# Altium PCB Proyecto0.PcbDoc (part 3 of 5) (continued)
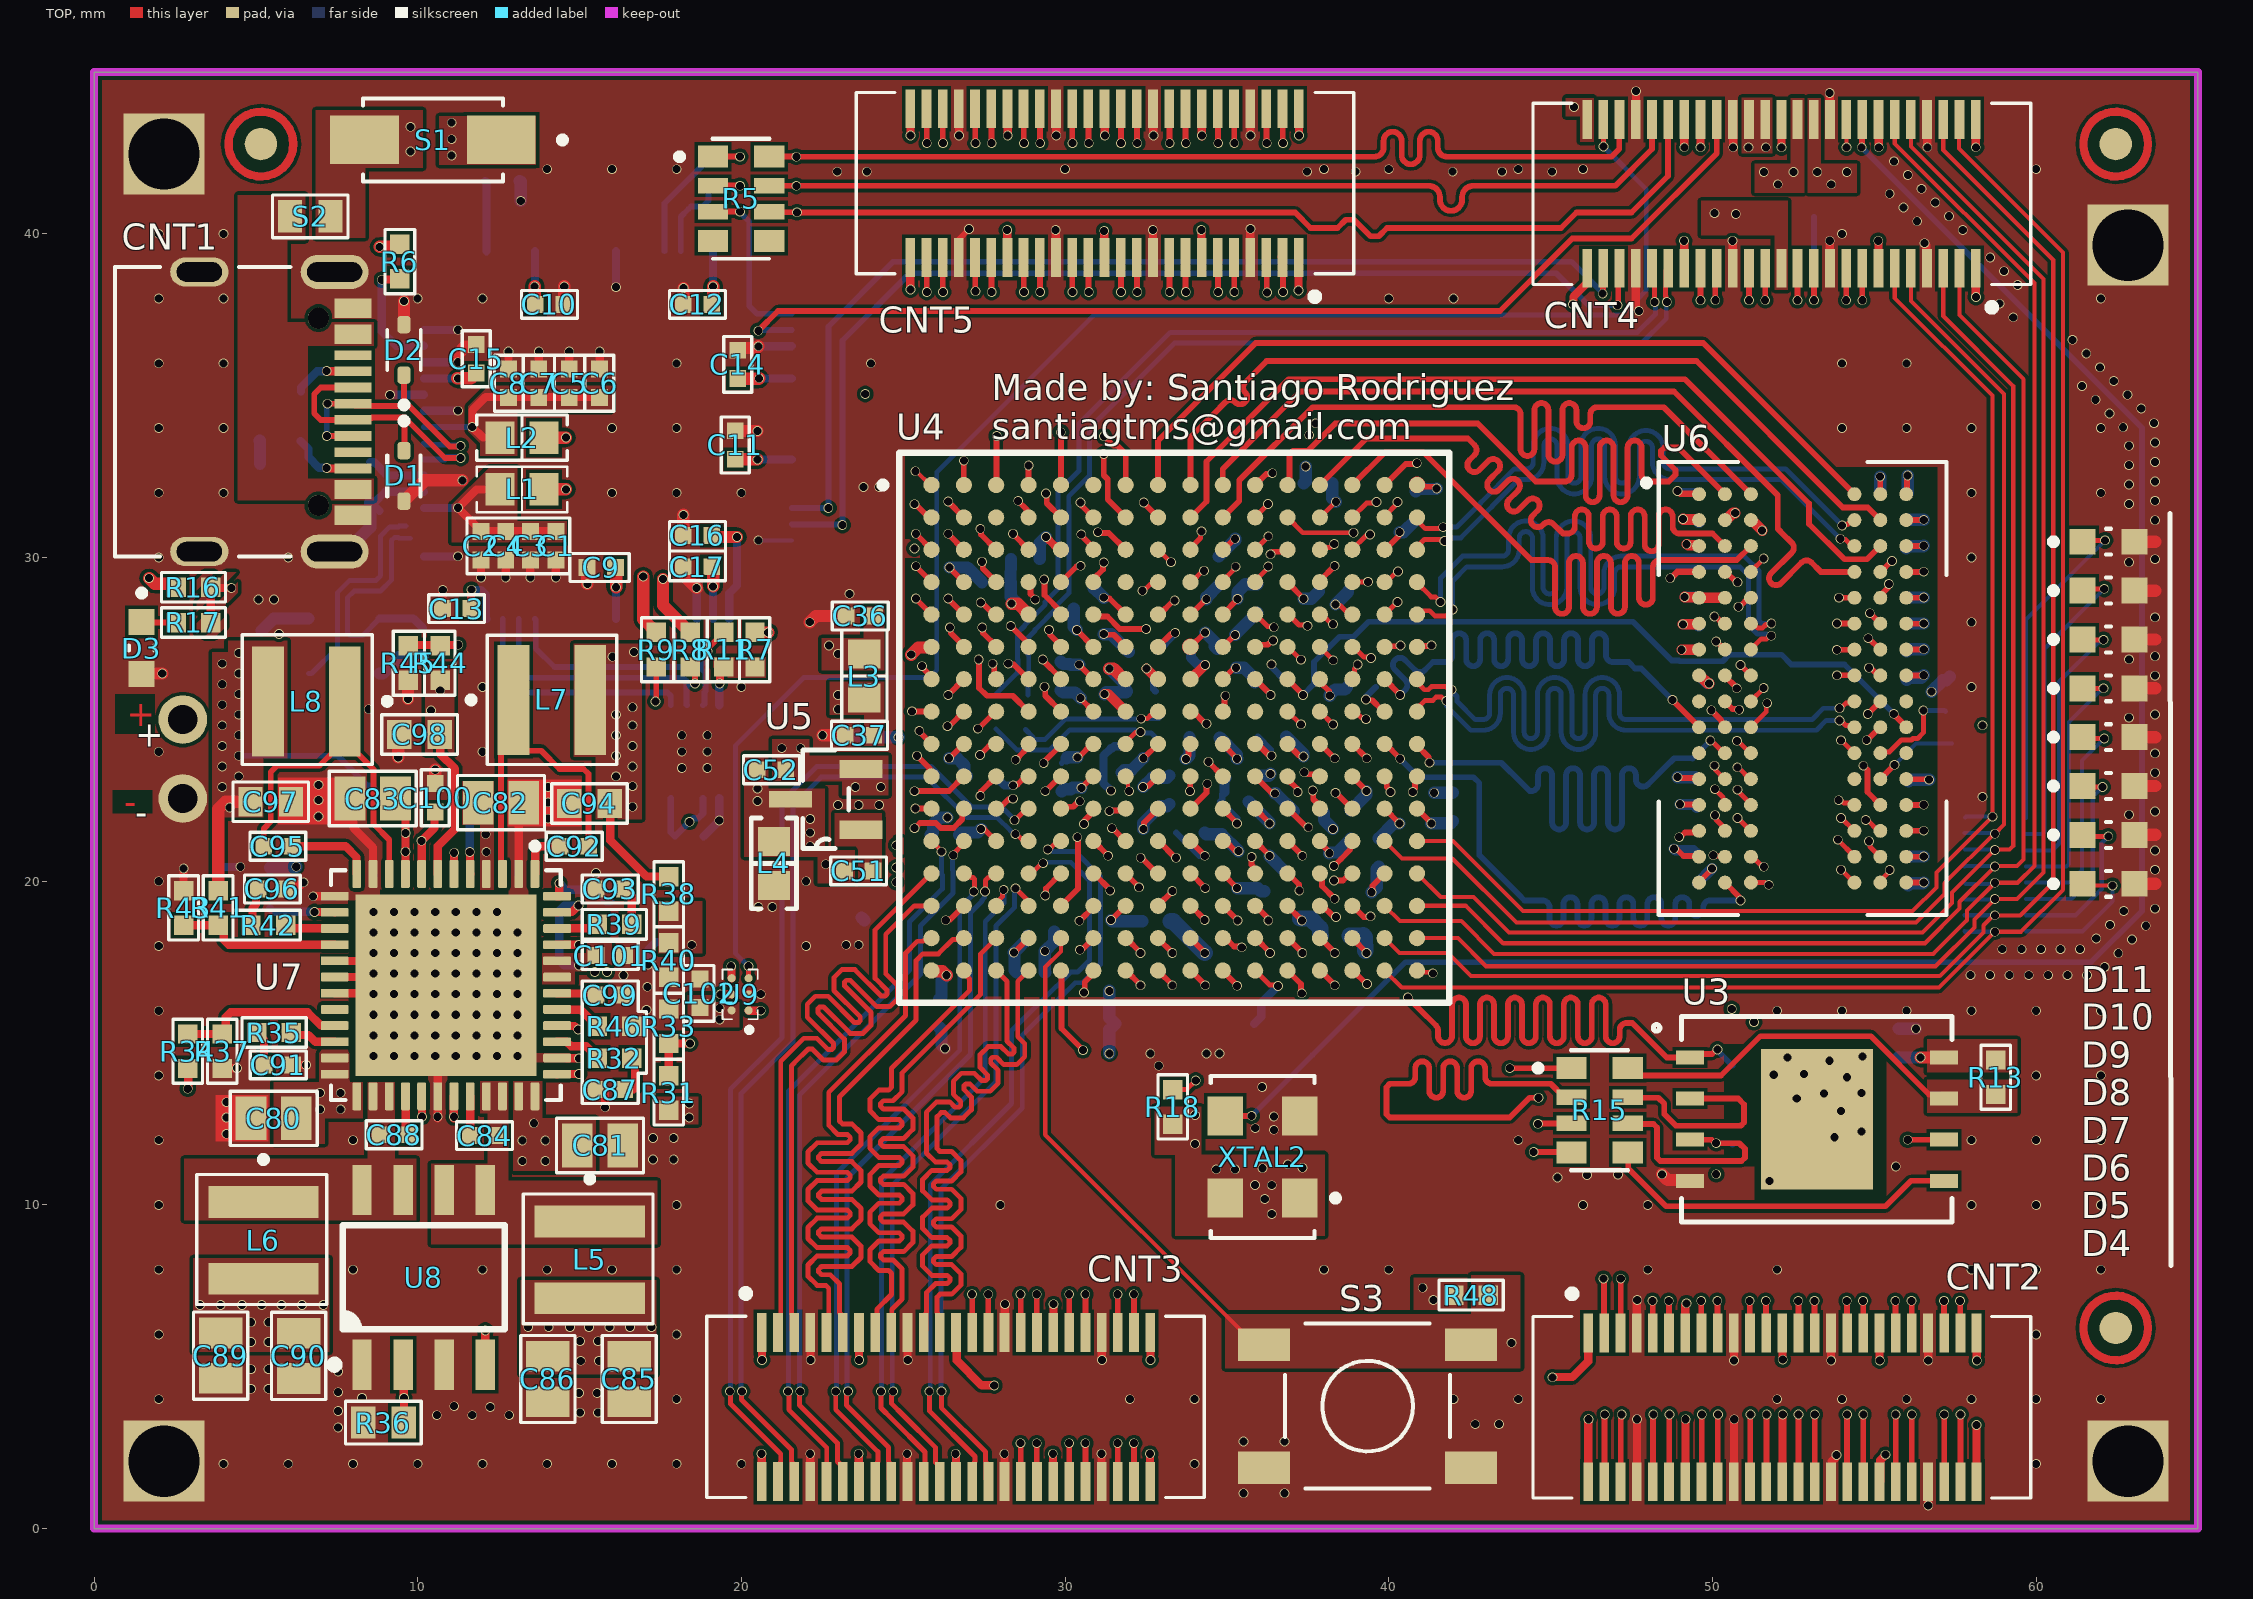
[diagram p0: TOP view]
## Nets (pads, with @x,y where several pads share a name; then routed paths per layer and width w, separated by ;. In a path a pad name is that pad's centre, name@x,y a point inside that pad or via, vN(x,y) a via of type N, cw(c..) or ccw(c..) an arc to the next point about the centre after c; other vN are vias at no path point) (continued)
  TOP w0.203: U4.J11@35.873,24.241 35.953,24.241 36.3,23.895 36.357,23.895 v1(36.375,23.876) ; v1(48.692,29.36) 48.718,29.36 48.915,29.557 U6.D1@49.586,29.557
  TOP w0.254: R43.2@2.769,19.708 v1(2.769,20.394) ; R37.2@3.962,14.214 3.967,14.219 4.415,14.219 v1(4.42,14.224) ; C96.1@5.952,19.761 6.085,19.894 6.407,19.894 v1(6.477,19.964) ; C91.1@6.13,14.326 v1(6.553,14.326) ; v1(6.77,19.533) 6.777,19.539 U7.13@7.436,19.539 ; U7.19@7.436,16.539 8.234,16.539 U7.49@8.255,16.561 ; U7.18@7.436,17.039 8.157,17.039 U7.49@8.179,17.018 ; U7.17@7.436,17.539 8.218,17.539 U7.49@8.23,17.551 ; C83.1@7.911,22.555 8.019,22.447 8.019,21.648 8.621,21.046 U7.11@8.621,20.224 8.621,20.182 U7.11@8.636,20.168 ; v1@10.617,12.675 v1@10.621,12.679 ; v1(10.617,12.725) 10.617,13.35 U7.30@10.621,13.354 10.621,14.068 U7.49@10.617,14.072 ; C13.1@10.753,28.414 C13.1@10.762,28.423 10.77,28.432 10.762,28.44 10.762,28.99 v1@10.77,28.999 ; v1(11.956,29.379) C2.1@11.956,29.92 ; v1(12.718,29.379) C4.1@12.718,29.92 ; C8.1@12.802,35.823 v1@12.802,36.363 ; U7.2@13.121,20.224 13.121,22.276 C82.1@13.273,22.428 ; v1(13.48,29.379) C3.1@13.48,29.92 ; C7.1@13.742,35.823 v1@13.742,36.363 ; v1(14.267,29.379) C1.1@14.268,29.92 ; U7.38@14.306,14.539 14.604,14.539 14.609,14.534 14.981,14.534 v1(14.986,14.529) ; C5.1@14.682,35.823 v1@14.682,36.363 ; C93.1@15.511,19.761 v1(15.511,20.252) ; C6.1@15.622,35.823 v1@15.622,36.363 ; v1(15.791,13.013) 15.791,13.564 ; U9.B2@20.224,16.506 20.596,16.506 v1(20.599,16.51) ; v1@22.123,2.313 v1@22.127,2.309 ; v1@22.127,2.307 22.127,1.463 CNT3.47@22.131,1.459 ; CNT3.4@22.131,6.059 22.135,6.055 22.135,5.211 v1(22.139,5.207) ; v1(25.121,2.311) 25.121,1.47 CNT3.41@25.131,1.459 ; CNT3.10@25.131,6.059 25.135,6.055 25.135,5.211 v1(25.139,5.207) ; CNT5.29@26.718,43.866 26.726,43.858 v1(26.726,43.039) ; v1@28.123,2.313 v1@28.127,2.309 ; v1@28.127,2.307 28.127,1.463 CNT3.35@28.131,1.459 ; CNT3.16@28.131,6.059 28.137,6.065 28.137,6.928 v1(28.143,6.934) ; v1(29.413,30.632) 29.681,30.364 29.683,30.364 29.806,30.241 U4.C5@29.873,30.241 ; v1(29.71,40.118) 29.714,40.114 29.714,39.27 CNT5.16@29.718,39.266 ; CNT5.35@29.718,43.866 29.726,43.858 v1(29.726,43.039) ; v1@31.123,2.313 v1@31.127,2.309 ; v1@31.127,2.307 31.127,1.463 CNT3.29@31.131,1.459 ; CNT3.22@31.131,6.059 31.135,6.055 31.135,5.211 v1(31.139,5.207) ; v1(32.71,40.118) 32.714,40.114 32.714,39.27 CNT5.10@32.718,39.266 ; CNT5.41@32.718,43.866 32.723,43.86 32.723,43.044 v1(32.729,43.039) ; CNT5.4@35.718,39.266 35.722,39.27 35.722,40.151 v1(35.726,40.155) ; CNT5.47@35.718,43.866 35.726,43.858 v1(35.726,43.039) ; CNT4.22@47.63,38.936 47.63,37.726 47.727,37.63 v1(47.727,37.617) ; CNT4.29@47.63,43.536 47.635,43.54 47.635,44.403 v1(47.639,44.408) ; CNT2.47@47.66,1.448 47.665,1.453 v1@47.665,3.404 ; CNT2.4@47.66,6.048 47.66,7.033 47.676,7.049 v1(47.676,7.061) ; v1(50.622,39.788) 50.626,39.784 50.626,38.94 CNT4.16@50.63,38.936 ; CNT4.35@50.63,43.536 50.634,43.532 v1@50.634,42.687 ; v1@50.634,42.674 v1@50.638,42.67 ; CNT2.41@50.66,1.448 50.666,1.454 50.666,3.372 v1(50.673,3.378) ; CNT2.10@50.66,6.048 50.664,6.044 50.664,5.2 v1(50.668,5.196) ; v1(53.621,44.348) 53.625,44.344 53.625,43.54 CNT4.41@53.63,43.536 ; v1(53.622,39.788) 53.626,39.784 53.626,38.94 CNT4.10@53.63,38.936 ; CNT2.35@53.66,1.448 53.683,1.471 53.683,2.07 53.797,2.184 53.797,2.236 v2(53.834,2.273) ; CNT2.16@53.66,6.048 53.664,6.044 53.664,5.2 v1(53.668,5.196) ; v1(56.547,39.713) 56.547,39.701 56.607,39.641 56.607,38.959 CNT4.4@56.63,38.936 ; CNT4.47@56.63,43.536 56.634,43.532 v1@56.634,42.687 ; v1@56.634,42.674 v1@56.638,42.67 ; CNT2.29@56.66,1.448 56.664,1.444 56.664,0.715 v1(56.667,0.711) ; CNT2.22@56.66,6.048 56.664,6.044 56.664,5.2 v1(56.668,5.196)
  TOP w0.305: U4.G3@27.82,26.241 U4.G3@27.873,26.241 ; U4.G9@33.878,26.241 v1@34.319,26.683
  TOP w0.33: v1(49.047,27.153) 49.582,27.153 U6.G1@49.583,27.154 ; v1(49.093,31.189) 49.105,31.176 49.567,31.176 U6.B1@49.586,31.157 ; v1(49.142,28.781) 49.146,28.776 49.567,28.776 U6.E1@49.586,28.757 U6.E2@50.386,28.757 ; U6.B3@51.186,31.157 51.213,31.157 51.535,30.836 v1(51.537,30.836)
  TOP w0.381: D3.C@1.473,26.403 1.486,26.416 v1(2.108,26.416) ; v1(9.398,23.825) 9.398,24.501 C98.1@9.433,24.536 ; D1.A@9.576,31.739 9.576,31.809 9.585,31.819 9.655,31.819 10.221,32.385 v1(11.379,32.385) ; D2.A@9.576,37.196 v1(9.576,37.922) ; v1(9.703,25.629) R45.2@9.703,26.203 ; C100.1@10.541,23.021 v1(10.541,23.444) ; v1(11.241,36.032) 11.241,36.291 11.464,36.515 11.741,36.515 C15.1@11.811,36.584 ; C10.1@14.512,37.821 14.529,37.838 v1(14.529,38.379) ; C9.1@15.232,29.693 15.24,29.684 v1(15.24,29.185) ; C17.1@18.204,29.718 18.273,29.648 18.273,29.403 v1(18.618,29.058) ; C16.2@18.204,30.683 18.204,31.31 v1(18.212,31.318) ; C12.1@18.204,37.846 18.212,37.854 v1(18.212,38.329) ; C11.1@19.812,33.917 19.873,33.917 19.881,33.909 v1(20.495,33.909) ; C14.1@19.888,36.406 19.958,36.476 20.474,36.476 v1(20.523,36.525) ; v1(22.112,28.005) 22.301,28.194 C36.1@23.233,28.194 ; v1(22.504,24.511) C37.1@23.207,24.511 ; v1(48.44,10.945) 48.616,10.77 49.263,10.77 U3.4@49.289,10.744 ; D4.C@63.034,19.922 63.684,19.922 ; D5.C@63.034,21.431 63.684,21.431 ; D6.C@63.034,22.941 63.684,22.941 ; D7.C@63.034,24.45 63.684,24.45 ; D8.C@63.034,25.96 63.684,25.96 ; D9.C@63.034,27.469 63.684,27.469 ; D10.C@63.034,28.979 63.684,28.979 ; D11.C@63.034,30.488 63.684,30.488
  TOP w0.457: U4.F16@40.873,27.241 U4.F16@40.881,27.249
  BOT w0.127: v1(20.523,30.531) 20.524,30.532 U1.47@21.555,30.532
  BOT w0.178: C70.1@55.986,31.157 C70.1@55.99,31.16 ; v1@56.524,31.16 v1(56.527,31.163)
  BOT w0.203: C56.1@32.852,27.085 33.402,27.635 v1(33.402,27.672) ; C40.1@35.951,24.469 36.357,24.063 36.357,23.895 v1(36.375,23.876) ; v1(36.375,26.7) 36.375,26.625 C65.1@36.813,26.187 ; v1(49.047,27.153) 49.502,27.153 C79.1@49.586,27.237
  BOT w0.254: R30.1@3.861,20.412 3.887,20.438 4.512,20.438 v1(4.521,20.447) ; R10.1@8.534,31.694 R10.1@8.576,31.694 ; R10.1@8.824,31.446 R10.1@8.576,31.694 ; v1(9.144,35.027) 9.149,35.032 U1.11@10.195,35.032 ; U1.1@10.195,30.032 11.241,30.032 v1(11.246,30.037) ; U1.5@10.195,32.032 8.998,32.032 8.659,31.694 R10.1@8.576,31.694 ; U1.10@10.195,34.532 11.241,34.532 v1(11.246,34.537) ; U1.13@10.195,36.032 v1(11.241,36.032) ; U1.15@10.195,37.032 11.241,37.032 v1(11.246,37.037) ; U1.25@16.125,39.462 16.127,39.46 16.127,38.356 v1(16.129,38.354) ; v1(17.12,17.424) 17.12,17.872 17.368,18.12 R29.1@17.475,18.12 ; v1(18.618,29.058) 18.622,29.054 18.622,28.112 18.618,28.109 U1.51@18.625,28.102 ; C20.1@18.83,21.387 v1(19.317,21.875) U2.5@19.317,22.568 ; v1(20.523,36.525) 21.548,36.525 U1.35@21.555,36.532 ; C26.1@27.84,23.25 28.128,22.962 v1(28.397,22.962)
  BOT w0.305: C55.1@33.818,27.187 33.887,27.117 33.887,26.906 34.11,26.683 v1(34.329,26.683)
  BOT w0.33: v1(49.093,31.189) 49.11,31.172 49.492,31.172 C72.1@49.586,31.077 ; v1(49.142,28.781) 49.52,28.781 C76.1@49.548,28.753 ; C74.1@49.532,19.941 v1(49.987,20.396)
  BOT w0.381: R1.2@5.125,33.604 5.131,33.599 5.131,32.893 ; C18.1@5.182,27.745 5.552,28.116 XTAL1.2@6.621,28.116 ; CNT1.SH2@7.434,30.183 7.778,30.183 8.534,30.939 R10.1@8.534,31.694 ; XTAL1.2@8.821,26.416 8.921,26.416 9.446,26.941 C19.1@10.16,26.941 ; R3.1@13.157,41.631 13.183,41.605 v1(13.183,41.021) ; C50.1@23.711,18.881 C50.1@23.8,18.793 ; C49.1@25.849,21.438 25.918,21.507 25.918,21.748 26.142,21.971 v1(26.365,21.971) ; C46.1@26.111,15.494 26.181,15.424 26.181,14.942 v1(26.289,14.834) ; v1(26.431,29.692) 26.981,29.692 C24.1@27.433,29.241 ; C23.1@29.211,29.955 29.217,29.961 29.217,30.45 v1@29.401,30.634 ; C47.1@29.389,17.179 29.376,17.192 v1(29.376,17.84) 29.667,18.13 C48.1@29.667,18.44 ; C58.1@29.87,25.9 29.94,25.83 30.306,25.83 v1(30.48,25.656) ; C59.1@29.896,22.776 29.965,22.845 30.177,22.845 30.229,22.897 30.494,22.897 v1(30.505,22.885) ; C31.1@30.264,28.425 30.264,27.86 v1(30.365,27.759) ; v1(32.41,22.911) 32.696,23.197 33.147,23.197 C57.1@33.216,23.266 ; v1(33.731,23.774) 33.843,23.886 C67.1@33.843,24.444 ; C30.1@34.317,21.497 34.364,21.45 34.836,21.45 v1(35.357,20.93) ; v1(34.364,28.714) 34.364,28.768 C44.1@34.747,29.151 ; v1(35.253,27.61) 35.253,27.615 C61.1@35.934,28.296 ; C63.1@35.671,22.462 36.314,21.819 v1(36.314,21.785) ; C64.1@35.873,23.19 35.942,23.26 36.29,23.26 v1(36.347,23.317) ; v1(36.314,20.785) 36.314,20.774 C25.1@36.779,20.31 ; v1(37.363,28.727) 37.609,28.727 C41.1@37.838,28.956 ; C43.1@37.374,32.292 37.433,32.351 v1(37.433,32.814) ; C66.1@37.949,22.158 37.998,22.108 37.998,21.895 v1(38.278,21.615) ; v1(38.176,25.733) 38.176,25.756 38.344,25.923 38.642,25.923 C39.1@38.712,25.993 ; C32.1@38.83,22.191 39.314,22.676 v1(39.314,22.785) ; v1(39.472,19.66) 39.624,19.812 39.624,20.378 C33.1@39.693,20.448 ; v1(40.335,30.785) 40.455,30.785 C42.1@40.836,31.166 ; v1(41.402,22.733) 41.971,22.733 C28.1@41.979,22.742 ; v1(48.92,23.216) 49.469,23.216 C69.1@49.517,23.168 ; C76.1@49.548,28.753 C76.1@49.573,28.778 ; C21.1@55.753,15.451 55.761,15.443 v1(56.286,15.443) ; C77.1@55.993,27.963 v1(56.527,27.963) ; C70.1@55.993,31.163 v1(56.527,31.163) ; C73.1@55.999,27.102 56.061,27.163 v1(56.527,27.163) ; v1(56.03,32.533) 56.03,31.999 C75.1@56.033,31.996 ; C71.1@56.05,19.872 56.12,19.941 56.505,19.941 v1(56.527,19.963) ; C78.1@56.058,23.08 56.117,23.139 v1(56.693,23.139) ; v1(56.769,25.857) 57.117,26.205 57.218,26.205 R24.2@57.328,26.314
  BOT w0.508: C22.1@33.26,18.767 33.266,18.761 33.338,18.761 v1(34.314,17.785) ; v1@37.268,18.848 37.585,18.848 37.882,18.55 37.882,18.347 C29.1@37.907,18.322
  other v1: 35.509,1.092 36.779,1.092 4,2 6,2 8,2 10,2 12,2 14,2 16,2 18,2 20,2 34,2 60,2 22.123,2.311 28.123,2.311 31.123,2.311 35.509,2.692 36.779,2.692 7.544,3.124 42.672,3.226 43.409,3.226 47.671,3.378 10.592,3.505 11.684,3.505 12.827,3.505 15.011,3.581 15.57,3.581 7.544,3.632 12.243,3.759 11.125,3.785 2,4 18,4 32,4 34,4 42,4 44,4 52,4 54,4 56,4 58,4 60,4 62,4 8.28,4.039 14.986,4.191 15.545,4.191 7.544,4.216 4.851,4.318 5.385,4.318 7.544,4.851 4.851,4.928 5.385,4.928 2,6 18,6 60,6 2,8 8,8 12,8 14,8 16,8 18,8 38,8 40,8 48,8 52,8 58,8 60,8 62,8 2,10 18,10 28,10 46,10 48,10 58,10 60,10 62,10 51.765,10.744 45.212,10.846 46.126,10.922 47.08,10.935 55.665,11.189 17.272,11.405 17.907,11.405 2,12 8,12 44,12 58,12 60,12 62,12 17.272,12.065 17.907,12.065 53.772,12.09 4.089,12.197 54.61,12.268 36.449,12.319 35.876,12.371 4.089,12.7 36.449,12.73 53.975,12.903 4.089,13.174 52.603,13.284 53.442,13.437 54.61,13.462 36.088,13.644 54.153,13.945 2,14 60,14 62,14 51.892,14.021 52.832,14.046 32.893,14.3 53.619,14.453 52.324,14.554 54.635,14.58 8.636,14.605 9.271,14.605 9.906,14.605 10.541,14.605 11.176,14.605 11.811,14.605 12.446,14.605 13.081,14.605 32.635,14.681 34.366,14.681 34.773,14.681 8.636,15.24 9.271,15.24 9.906,15.24 10.541,15.24 11.176,15.24 11.811,15.24 12.446,15.24 13.081,15.24 8.636,15.875 9.271,15.875 9.906,15.875 10.541,15.875 11.176,15.875 11.811,15.875 12.446,15.875 13.081,15.875 2,16 52,16 54,16 56,16 58,16 60,16 62,16 17.069,16.027 8.636,16.51 9.271,16.51 9.906,16.51 10.541,16.51 11.176,16.51 11.811,16.51 12.446,16.51 13.081,16.51 17.094,16.739 16.358,17.094 57.971,17.098 58.571,17.098 59.171,17.098 59.771,17.098 60.371,17.098 60.971,17.098 61.571,17.098 8.636,17.145 9.271,17.145 9.906,17.145 10.541,17.145 11.176,17.145 11.811,17.145 12.446,17.145 13.081,17.145 62.115,17.351 62.54,17.775 8.636,17.78 9.271,17.78 9.906,17.78 10.541,17.78 11.176,17.78 11.811,17.78 12.446,17.78 13.081,17.78 58.953,17.903 59.553,17.903 60.153,17.903 60.753,17.903 61.353,17.903 2,18 22,18 23.235,18.034 23.622,18.034 62.964,18.199 61.856,18.229 8.636,18.415 9.271,18.415 9.906,18.415 10.541,18.415 11.176,18.415 11.811,18.415 12.446,18.415 13.081,18.415 63.388,18.624 62.281,18.653 37.314,18.785 8.636,19.05 9.271,19.05 9.906,19.05 10.541,19.05 11.176,19.05 11.811,19.05 12.446,19.05 62.705,19.078 63.673,19.152 20.523,19.202 20.955,19.202 2,20 22,20 63.673,20.352 63.673,20.952 14.031,21.934 6.934,22.002 62.869,22.055 63.673,22.152 22.987,22.352 23.622,22.352 24.257,22.352 14.031,22.437 6.934,22.504 58.344,22.606 14.031,22.911 6.934,22.978 63.673,23.352 18.161,23.495 18.948,23.495 63.673,23.952 2,24 12,24 18.161,24.003 18.948,24.003 18.161,24.511 18.948,24.511 62.869,25.055 63.673,25.152 8.484,25.313 9.017,25.603 12,26 20,26 58,26 63.673,26.352 62.869,26.855 63.673,26.952 5.715,27.635 58,28 63.673,28.152 5.08,28.702 5.563,28.702 23.343,28.88 10.773,29.001 62.869,29.855 63.673,29.952 2,30 6,30 58,30 63.673,31.152 62.869,31.655 32.431,31.697 63.673,31.752 2,32 4,32 16,32 18,32 20,32 58,32 62,32 23.774,32.182 24.257,32.182 62.869,32.255 63.673,32.352 62.869,32.855 63.673,32.952 62.869,33.455 63.673,33.552 2,34 4,34 16,34 18,34 54,34 56,34 58,34 62,34 62.687,34.026 63.641,34.151 62.263,34.451 63.247,34.603 61.839,34.875 62.823,35.028 61.414,35.299 62.399,35.452 61.974,35.876 2,36 4,36 18,36 24,36 54,36 56,36 61.55,36.301 12.803,36.364 13.743,36.364 14.683,36.364 15.623,36.364 61.126,36.725 59.293,37.42 58.869,37.845 2,38 4,38 10,38 12,38 40,38 42,38 62,38 59.429,38.422 59.004,38.846 58.58,39.27 2,40 4,40 54,40 57.732,40.119 56.323,40.39 57.307,40.543 55.899,40.814 56.883,40.967 55.475,41.239 56.459,41.392 56.035,41.816 22.962,41.921 23.876,41.921 37.479,41.921 38.977,41.921 41.974,41.921 43.498,41.921 45.048,41.921 14,42 16,42 18,42 30,42 38,42 40,42 44,42 46,42 60,42 55.61,42.24 50.638,42.672 56.638,42.672
H1: CNT3.21 U4.J4 | length 19.2
  TOP w0.178: v1(28.473,23.749) 28.732,24.007 28.732,24.013 28.873,24.154 U4.J4@28.873,24.241 ; v1(30.626,7.239) 30.629,7.236 CNT3.21@30.629,6.062
  Signal[1] w0.152: v1(28.473,23.749) 29.019,23.203 29.019,8.845 v1(30.626,7.239)
H2: CNT3.20 U4.J3 | length 20.7
  TOP w0.178: v1(27.372,23.903) 27.649,24.179 27.811,24.179 U4.J3@27.873,24.241 ; v1(30.126,7.239) 30.129,7.236 CNT3.20@30.129,6.062
  Signal[1] w0.152: v1(27.372,23.903) 27.397,23.927 27.94,23.927 28.171,23.696 28.171,23.624 28.348,23.446 28.421,23.446 28.778,23.089 28.778,18.898 27.991,18.11 27.991,17.551 28.499,17.043 28.499,8.866 v1(30.126,7.239)
H3: CNT3.30 U4.L2 | length 25.2
  TOP w0.178: v1(25.349,21.641) 25.355,21.641 25.514,21.801 26.002,21.801 26.162,21.641 26.551,21.641 26.824,21.914 26.824,22.193 U4.L2@26.873,22.241 ; v1@30.626,2.64 v1@30.629,2.638 ; CNT3.30@30.629,1.462 v1@30.629,2.636
  Signal[1] w0.152: v1(25.349,21.641) 25.349,21.63 25.121,21.402 25.121,19.812 24.716,19.408 24.716,8.151 27.305,5.563 27.702,5.563 v1(30.626,2.639)
H4: CNT3.18 U4.L3 | length 18.2
  TOP w0.178: U4.L3@27.873,22.241 27.96,22.241 28.247,22.528 28.335,22.528 28.358,22.551 v1(28.391,22.551) ; v1(29.126,7.239) 29.129,7.236 CNT3.18@29.129,6.062
  Signal[1] w0.152: v1(28.391,22.551) 28.042,22.202 28.042,20.244 27.813,20.015 27.813,19.355 27.534,19.075 27.534,8.831 v1(29.126,7.239)
H5: CNT3.17 U4.K3 | length 18.6
  TOP w0.178: v1(27.381,22.631) 27.405,22.655 27.405,22.773 U4.K3@27.873,23.241 ; v1(28.626,7.239) 28.629,7.236 28.629,6.062 CNT3.17@28.631,6.059
  Signal[1] w0.152: v1(27.381,22.631) 27.737,22.276 27.737,20.672 26.875,19.81 26.875,19.56 27.076,19.358 27.076,8.788 v1(28.626,7.239)
IN_Filter_ADC_N: CNT4.21 R21.2 | length 30.1
  TOP w0.152: CNT4.21@48.13,38.936 48.204,38.862 48.204,38.334 48.215,38.323 48.215,37.898 v1(48.214,37.897)
  BOT w0.152: R21.2@27.863,25.775 28.524,26.436 28.524,26.572 28.548,26.595 28.548,26.846 28.524,26.87 28.524,27.663 28.746,27.885 28.746,27.908 29.383,28.545 29.383,28.63 29.786,29.034 29.786,31.479 29.783,31.482 29.783,32.03 30.429,32.676 30.429,34.138 33.249,36.957 47.681,36.957 48.242,37.518 48.242,37.715 48.242,37.869 v1(48.214,37.897)
IN_Filter_ADC_P: CNT4.20 R20.2 | length 29.9
  TOP w0.152: v1(48.59,37.897) 48.562,37.925 48.562,38.066 48.545,38.083 48.545,38.323 48.556,38.334 48.556,38.862 CNT4.20@48.63,38.936
  BOT w0.152: R20.2@28.854,25.756 28.854,26.435 28.878,26.459 28.878,26.983 28.854,27.006 28.854,27.526 29.076,27.748 29.076,27.771 29.713,28.408 29.713,28.493 30.117,28.897 30.117,31.616 30.114,31.619 30.114,31.893 30.759,32.539 30.759,34.001 33.385,36.627 47.817,36.627 48.572,37.381 48.572,37.879 v1(48.59,37.897)
J1: CNT3.24 U4.J5 | length 19.6
  TOP w0.178: v1(29.337,23.647) 29.337,23.676 29.873,24.212 U4.J5@29.873,24.241 ; v1(32.126,7.239) 32.129,7.236 CNT3.24@32.129,6.062
  Signal[1] w0.152: v1(29.337,23.647) 29.643,23.341 29.796,23.341 30.074,23.063 30.074,9.291 v1(32.126,7.239)
J3: CNT3.31 U4.K2 | length 26.2
  TOP w0.178: v1(25.349,22.784) 26.415,22.784 U4.K2@26.873,23.241 ; v1@30.126,2.64 v1@30.129,2.638 ; CNT3.31@30.129,1.462 v1@30.129,2.636
  Signal[1] w0.152: v1(25.349,22.784) 24.917,22.352 24.917,21.742 24.308,21.133 24.308,7.976 27.127,5.156 27.609,5.156 v1(30.126,2.639)
J4: CNT3.33 U4.J1 | length 26.5
  TOP w0.178: v1(25.498,24.647) 25.498,24.616 U4.J1@25.873,24.241 ; v1@29.126,2.64 v1@29.129,2.638 ; CNT3.33@29.129,1.462 v1@29.129,2.636
  Signal[1] w0.152: v1(25.498,24.647) 24.994,24.142 24.613,23.761 24.613,21.996 23.952,21.336 23.952,7.813 v1(29.126,2.639)
J5: CNT3.34 U4.H1 | length 27.9
  TOP w0.178: v1(25.269,25.249) 25.321,25.249 25.325,25.244 25.869,25.244 U4.H1@25.873,25.241 ; v1@28.626,2.64 v1@28.629,2.638 ; CNT3.34@28.629,1.462 v1@28.629,2.636
  Signal[1] w0.152: v1(25.269,25.249) 24.969,25.249 23.954,24.234 23.954,22.227 23.994,22.187 23.994,22.061 22.911,20.978 22.911,8.354 v1(28.626,2.639)
K1: CNT3.23 U4.K5 | length 18.3
  TOP w0.178: v1(29.388,22.784) 29.402,22.784 29.859,23.241 U4.K5@29.873,23.241 ; v1(31.626,7.239) 31.629,7.236 CNT3.23@31.629,6.062
  Signal[1] w0.152: v1(29.388,22.784) 29.767,22.405 29.767,20.855 29.743,20.832 29.743,9.121 v1(31.626,7.239)
K2: CNT4.18 U4.G4 | length 28.9
  TOP w0.178: v1(28.245,26.721) 28.268,26.697 28.416,26.697 U4.G4@28.873,26.241 ; CNT4.18@49.63,38.936 49.632,38.934 v1(49.632,37.948)
  Signal[1] w0.152: v1(28.245,26.721) 28.245,26.746 28.27,26.746 28.804,27.28 29.464,27.28 30.062,27.877 30.062,27.885 30.239,28.062 30.49,28.062 30.502,28.05 31.936,28.05 34.62,30.734 34.62,32.487 39.345,37.211 48.895,37.211 v1(49.632,37.948)
K3: CNT4.17 U4.G5 | length 28.1
  TOP w0.178: v1(29.312,26.848) 29.312,26.825 29.873,26.264 U4.G5@29.873,26.241 ; v1@50.089,37.942 v1(50.089,37.948) 50.089,38.894 CNT4.17@50.13,38.936
  Signal[1] w0.152: v1(29.312,26.848) 29.566,26.848 30.048,27.33 31.547,27.33 34.976,30.759 34.976,32.309 39.421,36.754 48.895,36.754 v1(50.089,37.948)
K5: CNT4.15 U4.E6 | length 26.9
  TOP w0.178: U4.E6@30.873,28.241 30.934,28.179 31.307,28.179 31.692,27.795 v1(32.505,27.795) ; v1@51.129,37.948 CNT4.15@51.13,38.936
  Signal[1] w0.152: v1(32.505,27.795) 32.933,27.795 34.645,29.507 34.645,29.524 35.143,30.022 35.229,30.022 35.56,30.353 35.56,32.487 39.345,36.271 49.452,36.271 v1(51.129,37.948)
K13: CNT2.28 U4.N6 | length 43.8
  TOP w0.178: U4.N6@30.893,20.234 31.392,19.735 v1(31.392,19.71) ; CNT2.28@57.158,1.452 57.16,1.454 v1@57.16,3.53
  Signal[1] w0.152: v1(31.392,19.71) 30.902,19.22 30.902,9.764 39.599,1.067 54.7,1.067 v1(57.161,3.528)
L1_N: CNT3.3 U4.P1 | length 21.8
  TOP w0.152: CNT3.3@21.631,6.059 21.558,6.133 21.558,6.62 21.546,6.631 21.546,14.298 21.62,14.371 22.067,14.818 22.193,14.818 22.534,14.478 22.932,14.478 23.179,14.725 23.179,15.123 22.365,15.938 22.365,16.062 22.419,16.116 22.543,16.116 23.358,15.302 23.756,15.302 24.003,15.549 24.003,15.947 23.189,16.761 23.189,16.886 23.242,16.94 23.367,16.94 24.182,16.126 24.58,16.126 24.827,16.373 24.827,16.771 24.46,17.138 24.46,17.509 24.46,18.362 25.34,19.241 U4.P1@25.873,19.241
L1_P: CNT3.2 U4.N1 | length 22.7
  TOP w0.152: CNT3.2@21.131,6.059 21.205,6.133 21.205,6.62 21.216,6.631 21.216,14.434 21.387,14.605 21.93,15.149 22.33,15.149 22.671,14.808 22.795,14.808 22.849,14.862 22.849,14.987 22.035,15.801 22.035,16.199 22.282,16.446 22.68,16.446 23.494,15.632 23.619,15.632 23.673,15.685 23.673,15.81 22.859,16.625 22.859,17.023 23.106,17.27 23.504,17.27 24.318,16.456 24.443,16.456 24.497,16.509 24.497,16.634 24.13,17.001 24.13,17.839 24.13,18.498 U4.N1@25.873,20.241
L2: CNT3.27 U4.G2 | length 28.6
  TOP w0.178: v1(26.391,25.756) 26.391,25.757 U4.G2@26.873,26.241 U4.G2@26.873,26.241 ; v1@32.126,2.64 v1@32.129,2.638 ; CNT3.27@32.129,1.462 v1@32.129,2.636
  Signal[1] w0.152: v1(26.391,25.756) 26.035,25.4 26.035,21.438 25.883,21.285 25.883,19.558 25.531,19.206 25.531,8.353 27.711,6.172 28.593,6.172 v1(32.126,2.639)
L2_N: CNT3.48 U4.M4 | length 30.7
  TOP w0.152: v1(20.021,4.242) 19.999,4.219 19.999,3.988 21.546,2.441 21.546,2.072 21.558,2.061 21.558,1.533 CNT3.48@21.631,1.459 ; v2(28.464,21.453) 28.504,21.453 28.649,21.308 28.806,21.308 U4.M4@28.873,21.241
  BOT w0.152: v1@19.993,4.206 19.993,8.934 19.99,8.938 19.99,13.437 21.59,15.037 21.59,22.342 22.463,23.216 25.72,23.216 26.973,21.963 27.909,21.963 28.317,21.555 28.322,21.555 28.424,21.453 v2(28.464,21.453)
L2_P: CNT3.49 U4.L4 | length 31.3
  TOP w0.152: v1@19.645,4.178 19.664,4.178 19.668,4.174 19.668,3.852 21.216,2.304 21.216,2.072 21.205,2.061 21.205,1.533 CNT3.49@21.131,1.459 ; v2@28.454,21.885 28.809,22.241 U4.L4@28.873,22.241
  BOT w0.152: v1@19.663,4.196 19.663,8.797 19.66,8.801 19.66,13.573 21.26,15.174 21.26,22.479 22.327,23.546 25.857,23.546 27.11,22.293 28.046,22.293 v2@28.454,21.885
  other v1: 19.645,4.242
  other v2: 28.438,21.885
L3: CNT3.28 U4.K1 | length 26.8
  TOP w0.178: v1(25.425,23.876) 25.811,23.49 25.811,23.303 U4.K1@25.873,23.241 ; v1@31.626,2.64 v1@31.629,2.638 ; CNT3.28@31.629,1.462 v1@31.629,2.636
  Signal[1] w0.152: v1(25.425,23.876) 25.711,23.59 25.711,21.52 25.502,21.311 25.502,19.634 25.123,19.256 25.123,8.227 27.521,5.829 28.435,5.829 v1(31.626,2.639)
L3_N: CNT3.5 U4.R1 | length 22.2
  TOP w0.152: CNT3.5@22.631,6.059 22.7,6.128 22.7,6.96 22.7,7.424 22.61,7.513 22.339,7.513 22.057,7.795 22.057,8.144 22.339,8.426 23.275,8.426 23.363,8.514 23.363,8.59 23.275,8.678 22.339,8.678 22.057,8.96 22.057,9.309 22.339,9.591 23.275,9.591 23.363,9.679 23.363,9.755 23.275,9.843 22.339,9.843 22.057,10.125 22.057,10.475 22.339,10.756 23.275,10.756 23.363,10.845 23.363,10.92 23.275,11.009 22.339,11.009 22.057,11.29 22.057,11.64 22.339,11.921 23.275,11.921 23.363,12.01 23.363,12.086 23.275,12.174 22.982,12.174 22.7,12.457 22.7,12.766 22.7,13.48 25.07,15.85 25.07,17.778 25.437,18.146 25.61,18.146 25.638,18.175 25.806,18.175 U4.R1@25.873,18.241
L3_P: CNT3.6 U4.R2 | length 22.8
  TOP w0.152: CNT3.6@23.131,6.059 23.058,6.133 23.058,6.645 23.03,6.672 23.03,6.96 23.03,7.561 22.747,7.843 22.476,7.843 22.388,7.932 22.388,8.007 22.476,8.096 23.412,8.096 23.694,8.377 23.694,8.727 23.412,9.008 22.476,9.008 22.388,9.097 22.388,9.173 22.476,9.261 23.412,9.261 23.694,9.543 23.694,9.892 23.412,10.174 22.476,10.174 22.388,10.262 22.388,10.338 22.476,10.426 23.412,10.426 23.694,10.708 23.694,11.057 23.412,11.339 22.476,11.339 22.388,11.427 22.388,11.503 22.476,11.591 23.412,11.591 23.694,11.873 23.694,12.222 23.412,12.504 23.119,12.504 23.03,12.593 23.03,12.766 23.03,13.343 25.4,15.713 25.4,17.552 25.602,17.755 26.086,17.755 26.536,18.205 26.837,18.205 U4.R2@26.873,18.241
L4_N: CNT3.46 U4.M1 | length 22.4
  TOP w0.152: v1@21.442,4.191 21.466,4.168 21.466,3.676 22.637,2.504 22.637,1.465 CNT3.46@22.631,1.459 ; U4.M1@25.873,21.241 25.873,21.234 26.185,20.921 v2(26.185,20.914)
  BOT w0.152: v1@21.461,4.219 21.461,13.52 25.197,17.256 25.197,18.755 26.208,19.766 26.208,20.186 26.185,20.209 v2(26.185,20.914)
  other v1: 21.442,4.242
L4_P: CNT3.45 U4.M2 | length 22.5
  TOP w0.152: v1@21.819,4.191 21.796,4.168 21.796,3.812 22.968,2.641 22.968,2.073 23.131,1.909 CNT3.45@23.131,1.459 ; v2(26.545,20.803) 26.545,20.843 26.873,21.17 U4.M2@26.873,21.241
  BOT w0.152: v1@21.846,4.219 21.791,4.275 21.791,13.383 25.527,17.12 25.527,18.618 26.538,19.629 26.538,20.323 26.516,20.345 26.516,20.669 26.517,20.67 26.517,20.774 v2(26.545,20.803)
  other v1: 21.819,4.242
L5: CNT4.9 U4.L5 | length 35.6
  TOP w0.178: U4.L5@29.873,22.241 29.934,22.303 30.254,22.303 30.422,22.471 v1(30.455,22.471) ; v1(54.13,37.948) CNT4.9@54.13,38.936
  Signal[1] w0.152: v1(30.455,22.471) 30.463,22.479 35.408,22.479 36.043,23.114 36.043,27.915 37.567,29.439 37.567,30.81 38.1,31.344 38.43,31.344 38.735,31.648 38.735,32.004 41.224,34.493 41.58,34.493 41.588,34.501 50.684,34.501 v1(54.13,37.948)
L5_N: CNT3.8 U4.T2 | length 19.7
  TOP w0.152: CNT3.8@24.131,6.059 24.183,6.111 24.183,6.776 24.638,7.231 24.638,7.366 24.638,7.885 24.549,7.974 24.248,7.974 23.967,8.256 23.967,8.605 24.248,8.887 24.88,8.887 24.968,8.976 24.968,9.051 24.88,9.14 24.248,9.14 23.967,9.421 23.967,9.771 24.248,10.052 24.88,10.052 24.968,10.141 24.968,10.216 24.88,10.305 24.248,10.305 23.967,10.587 23.967,10.936 24.248,11.218 24.88,11.218 24.968,11.306 24.968,11.382 24.88,11.47 24.248,11.47 23.967,11.752 23.967,12.101 24.248,12.383 24.88,12.383 24.968,12.471 24.968,12.547 24.88,12.635 24.248,12.635 23.967,12.917 23.967,13.266 24.248,13.548 24.549,13.548 24.638,13.637 24.638,14.219 25.075,14.656 27.051,16.632 27.051,16.978 26.873,17.156 U4.T2@26.873,17.241
L5_P: CNT3.9 U4.R3 | length 20.7
  TOP w0.152: CNT3.9@24.631,6.059 24.644,6.072 24.644,6.77 24.968,7.094 24.968,7.366 24.968,8.022 24.685,8.305 24.385,8.305 24.297,8.393 24.297,8.469 24.385,8.557 25.017,8.557 25.299,8.839 25.299,9.188 25.017,9.47 24.385,9.47 24.297,9.558 24.297,9.634 24.385,9.722 25.017,9.722 25.299,10.004 25.299,10.353 25.017,10.635 24.385,10.635 24.297,10.723 24.297,10.799 24.385,10.887 25.017,10.887 25.299,11.169 25.299,11.518 25.017,11.8 24.385,11.8 24.297,11.889 24.297,11.964 24.385,12.053 25.017,12.053 25.299,12.334 25.299,12.684 25.017,12.965 24.385,12.965 24.297,13.054 24.297,13.129 24.385,13.218 24.685,13.218 24.968,13.5 24.968,14.082 25.375,14.489 27.381,16.495 27.381,17.75 U4.R3@27.873,18.241